# Altium PCB Box2.PcbDoc
Units mil, origin at the board's own origin, x right, y up, seen from the top; angles counter-clockwise.
Board outline 17180 x 7600 mil, 2 copper layers (Top Layer, Bottom Layer), stack 65.3 mil thick; 245 components, 242 nets, 1171 pads, 0 vias.
Unrouted connection lines stored in the file: 711.
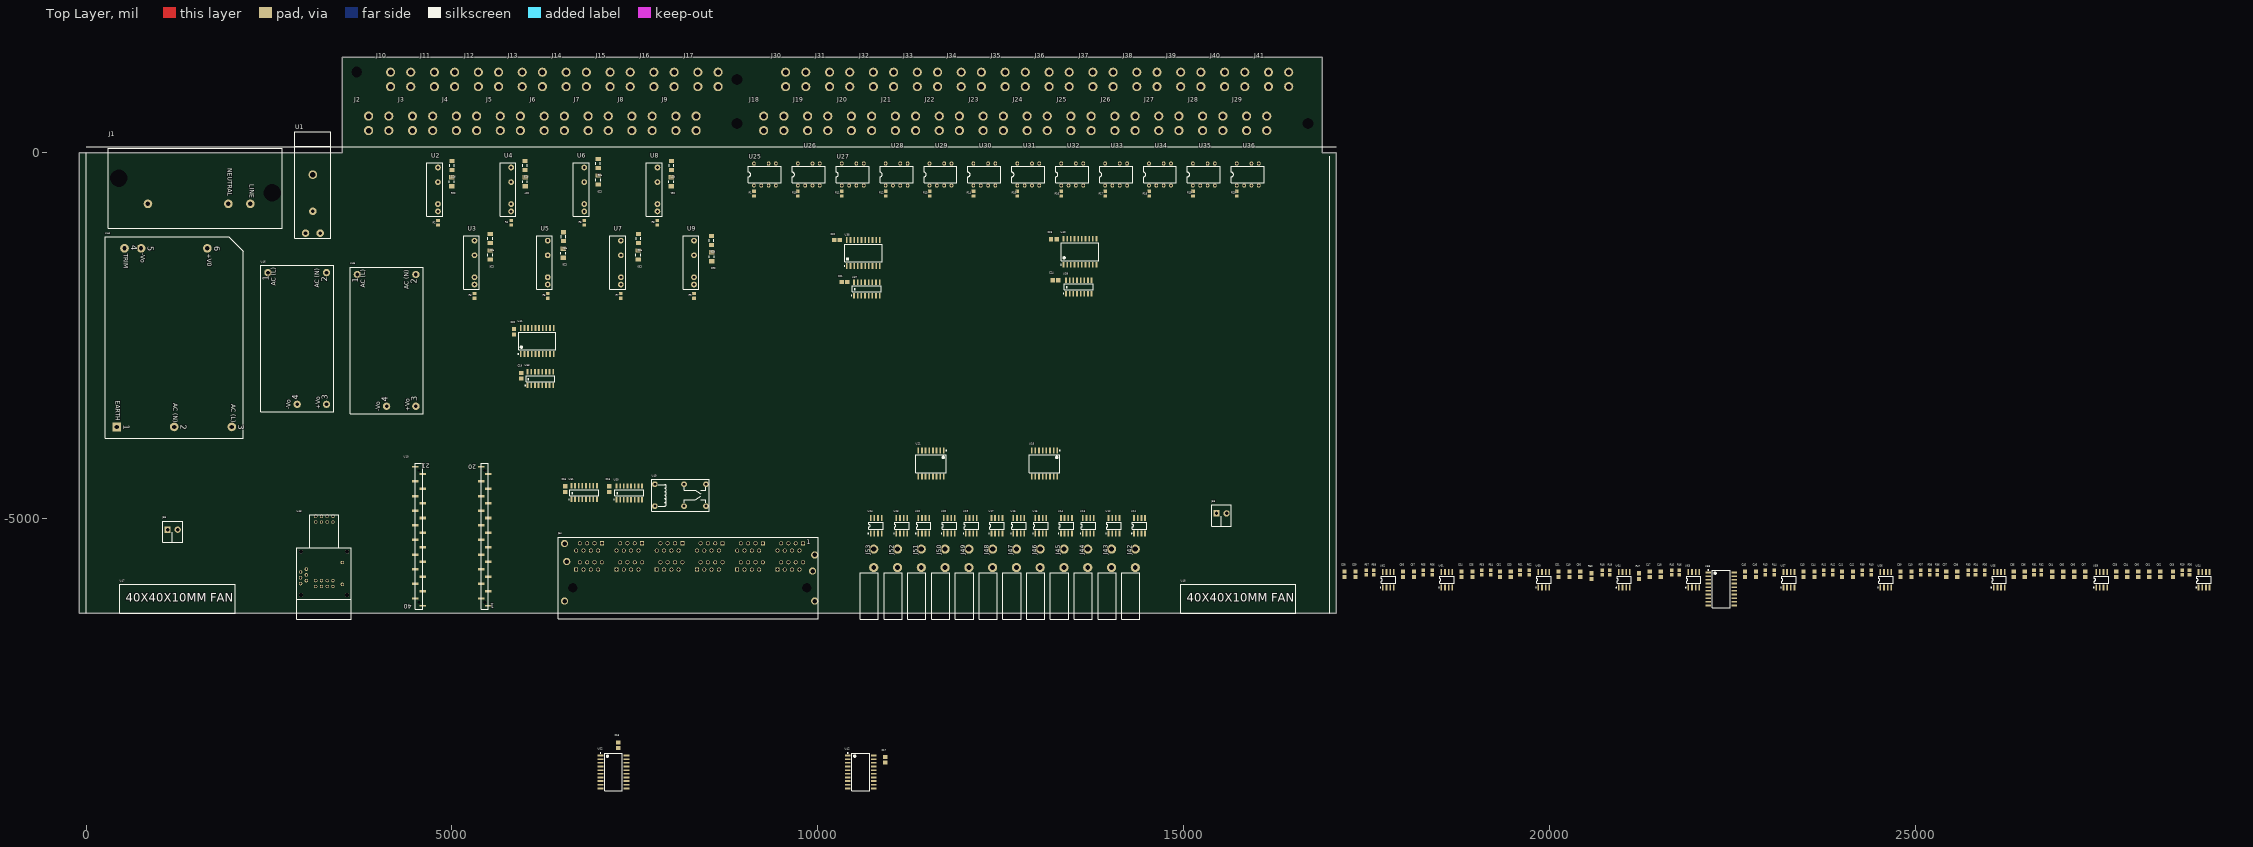
[diagram p0: Top Layer view]
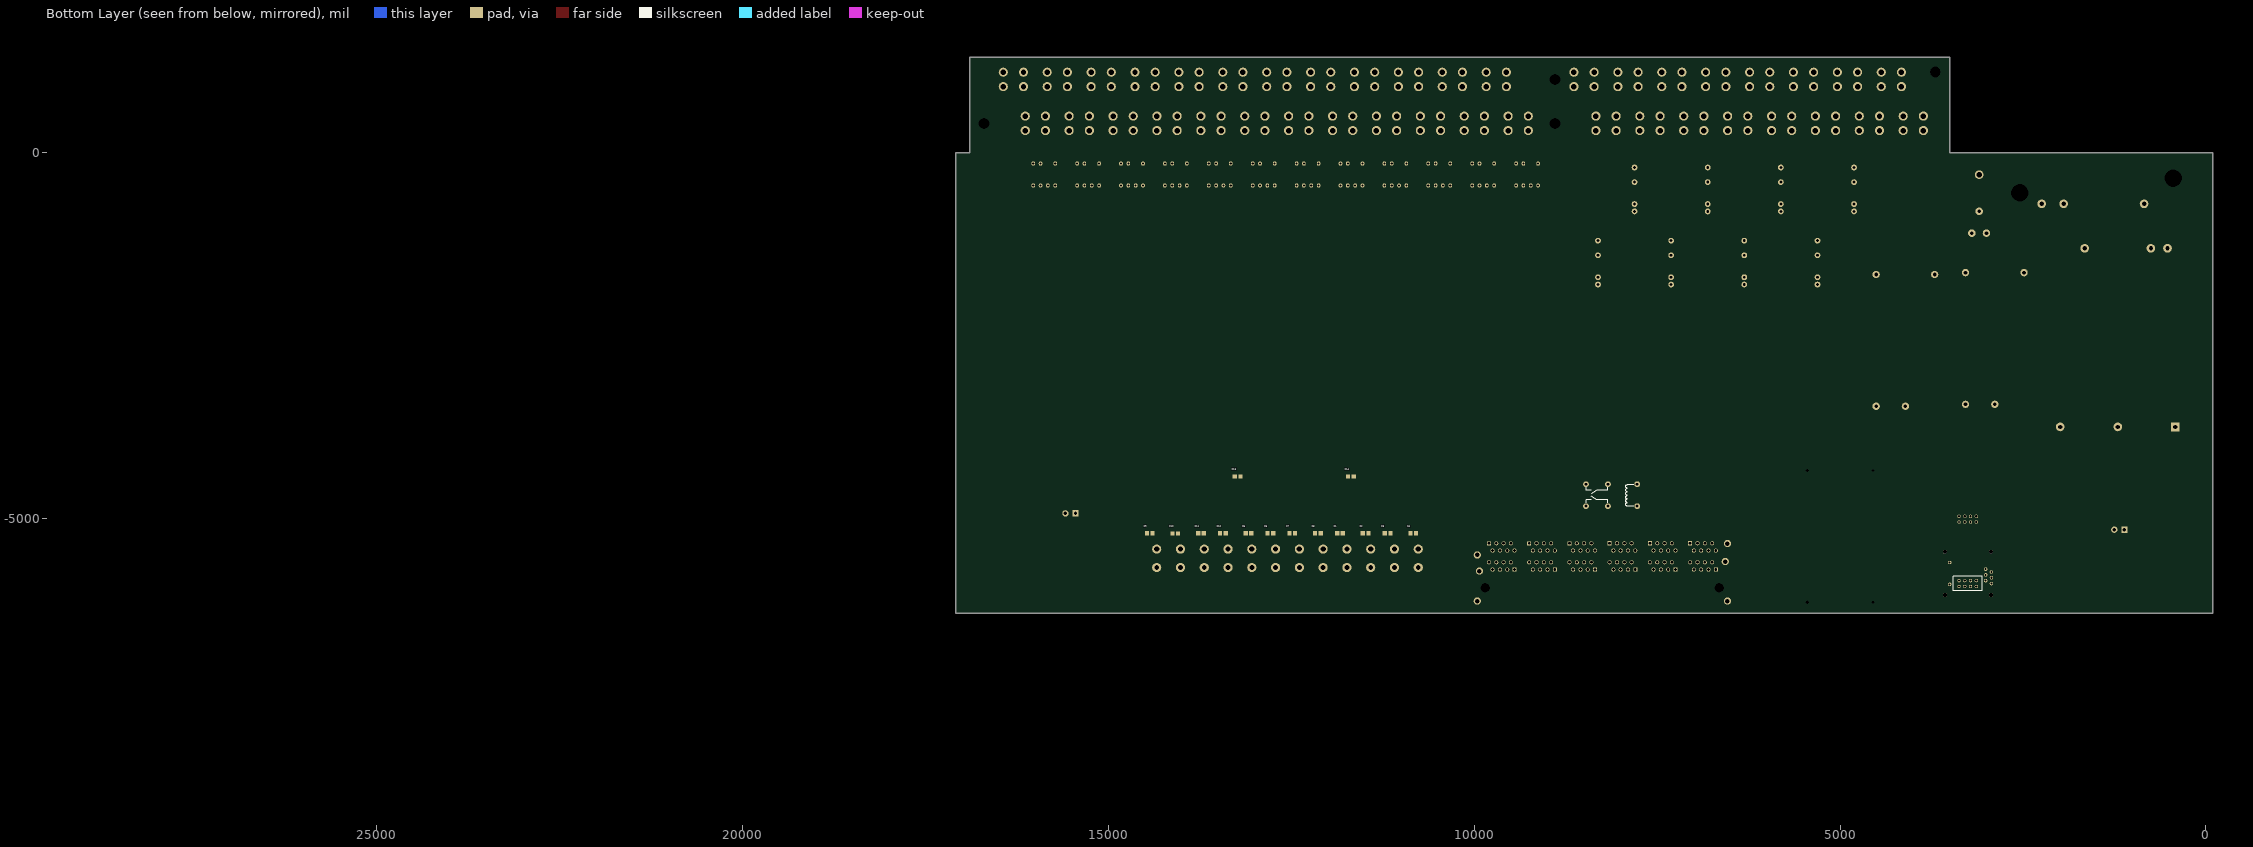
[diagram p1: Bottom Layer view, seen from below]

## Layer stack, top to bottom
Top Layer: signal copper 1.4
Dielectric: core 62.5, FR-4, Dk 4.8
Bottom Layer: signal copper 1.4

## Board outline
-90,-6300 -90,0 3500,0 3500,1300 16900,1300 16900,0 17090,0 17090,-6300

## Design rules (kind name [scope] priority, off if disabled: settings)
Clearance [All] p1: gap=10
Height [All] p1: minheight=0 maxheight=3000 prefheight=500
PolygonConnect [All] p1: connectstyle=Relief reliefconductorwidth=10 reliefentries=4 polygonreliefangle="90 Angle" airgapwidth=10
RoomDefinition U_ANALOG_IO [InComponentClass('U_ANALOG_IO')] p1: confinementstyle=ConfineIn formatcopy=TRUE lockcomponents=FALSE outline 17125,-6240 29075,-6240 29075,-5615 17125,-5615
RoutingVias [All] p1: holewidth=28 width=50 viastyle="Through Hole" minholewidth=28 minwidth=50 maxholewidth=28 maxwidth=50
SolderMaskExpansion [All] p1: expansion=4
Width [All] p1: maxlimit=10 minlimit=10 preferedwidth=10
27 further rules are at their usual default settings.

## Classes and differential pairs
component class U_ANALOG_IO: C15 C16 C17 C18 C33 C34 C35 C36 C37 C38 C39 C40 C41 C42 C43 C44 C45 C46 C47 C48 C49 C50 C51 C52 C53 C54 C55 C56 C57 C58 C59 C60 C61 C62 C63 C64 C65 C66 C67 R29 R30 R31 R32 R33 R34 R35 R36 R37 R38 R39 R40 R41 R42 R43 R44 R45 R46 R47 R48 R49 R50 R51 R52 R53 R54 R55 R56 R57 R58 U42 U50 U51 U52 U54 U55 U56 U57 U58 U59 U60 U61 U62 U63 U64

## Components (designator, comment, footprint, x,y, rotation, side; value= is the part's Value field where it differs from the comment)
C1 "0.1µF  50V" C0805_LD 11836,-5204 r0 bottom
C2 "0.1µF  50V" C0805_LD 11486,-5205 r0 bottom
C3 "0.1µF  50V" C0805_LD 11186,-5204 r0 bottom
C4 "0.1µF  50V" C0805_LD 10835,-5205 r0 bottom
C5 "0.1µF  50V" C0805_LD 13087,-5205 r0 bottom
C6 "0.1µF  50V" C0805_LD 12787,-5204 r0 bottom
C7 "0.1µF  50V" C0805_LD 12488,-5205 r0 bottom
C8 "0.1µF  50V" C0805_LD 12138,-5204 r0 bottom
C9 "0.1µF  50V" C0805_LD 14437,-5205 r0 bottom
C10 "0.1µF  50V" C0805_LD 14087,-5206 r0 bottom
C11 "0.1µF  50V" C0805_LD 13736,-5205 r0 bottom
C12 "0.1µF  50V" C0805_LD 13437,-5205 r0 bottom
C13 "0.1µF  50V" C0805_LD 13236,-4427 r0 bottom
C14 "0.1µF  50V" C0805_LD 11687,-4427 r0 bottom
C15 "0.1µF  50V" C0805_LD 6550,-4600 r90 top
C16 "0.1µF  50V" C0805_LD 7150,-4600 r90 top
C17 "0.1µF  50V" C0805_LD 10925,-8300 r90 top
C18 "0.1µF  50V" C0805_LD 7275,-8100 r90 top
C19 "0.1µF  50V" C0805_LD 5950,-3050 r90 top
C20 "0.1µF  50V" C0805_LD 5850,-2450 r270 top
C21 "0.1µF  50V" C0805_LD 10367,-1770 r0 top
C22 "0.1µF  50V" C0805_LD 10264,-1195 r0 top
C23 "0.1µF  50V" C0805_LD 13229,-1185 r0 top
C24 "0.1µF  50V" C0805_LD 13251,-1743 r0 top
C25 "0.1µF" C1206_LD 5000,-400 r270 top
C26 "0.1µF" C1206_LD 5525,-1400 r270 top
C27 "0.1µF" C1206_LD 6000,-400 r270 top
C28 "0.1µF" C1206_LD 6525,-1375 r270 top
C29 "0.1µF" C1206_LD 7000,-375 r270 top
C30 "0.1µF" C1206_LD 7550,-1400 r270 top
C31 "0.1µF" C1206_LD 8000,-400 r270 top
C32 "0.1µF" C1206_LD 8550,-1425 r270 top
C33 "0.1µF" C0805_LD 27750,-5765 r90 top
C34 "0.1µF" C0805_LD 27900,-5765 r90 top
C35 "0.1µF" C0805_LD 26350,-5765 r90 top
C36 "0.1µF" C0805_LD 26500,-5765 r90 top
C37 "0.1µF" C0805_LD 25425,-5765 r90 top
C38 "0.1µF" C0805_LD 25575,-5765 r90 top
C39 "0.1µF" C0805_LD 24800,-5765 r90 top
C40 "0.1µF" C0805_LD 24950,-5765 r90 top
C41 "0.1µF" C0805_LD 24000,-5765 r90 top
C42 "0.1µF" C0805_LD 24150,-5765 r90 top
C43 "0.1µF" C0805_LD 23475,-5765 r90 top
C44 "0.1µF" C0805_LD 23625,-5765 r90 top
C45 "0.1µF" C0805_LD 22675,-5765 r90 top
C46 "0.1µF" C0805_LD 22825,-5765 r90 top
C47 "0.1µF" C0805_LD 21375,-5765 r90 top
C48 "0.1µF" C0805_LD 21525,-5765 r90 top
C49 "0.1µF" C0805_LD 20275,-5765 r90 top
C50 "0.1µF" C0805_LD 20425,-5765 r90 top
C51 "0.1µF  50V" C0805_LD 20125,-5765 r90 top
C52 "0.1µF" C0805_LD 19325,-5765 r90 top
C53 "0.1µF" C0805_LD 19475,-5765 r90 top
C54 "0.1µF" C0805_LD 18800,-5765 r90 top
C55 "0.1µF" C0805_LD 18950,-5765 r90 top
C56 "0.1µF" C0805_LD 18000,-5765 r90 top
C57 "0.1µF" C0805_LD 18150,-5765 r90 top
C58 "0.1µF" C0805_LD 17200,-5765 r90 top
C59 "0.1µF" C0805_LD 17350,-5765 r90 top
C60 "0.1µF" C0805_LD 28050,-5765 r90 top
C61 "0.1µF" C0805_LD 28200,-5765 r90 top
C62 "0.1µF" C0805_LD 28350,-5765 r90 top
C63 "0.1µF" C0805_LD 28525,-5765 r90 top
C64 "0.1µF" C0805_LD 26875,-5765 r90 top
C65 "0.1µF" C0805_LD 27025,-5765 r90 top
C66 "0.1µF" C0805_LD 27175,-5765 r90 top
C67 "0.1µF" C0805_LD 27325,-5765 r90 top
J1 "KP01.1112.11" KP01.1112.11 1496.06,-525 r180 top locked
J2 "7701" 7701 4000,400 r90 top
J3 "7701" 7701 4600,400 r90 top
J4 "7701" 7701 5200,400 r90 top
J5 "7701" 7701 5800,400 r90 top
J6 "7701" 7701 6400,400 r90 top
J7 "7701" 7701 7000,400 r90 top
J8 "7701" 7701 7600,400 r90 top
J9 "7701" 7701 8200,400 r90 top
J10 "7701" 7701 4300,1000 r90 top
J11 "7701" 7701 4900,1000 r90 top
J12 "7701" 7701 5500,1000 r90 top
J13 "7701" 7701 6100,1000 r90 top
J14 "7701" 7701 6700,1000 r90 top
J15 "7701" 7701 7300,1000 r90 top
J16 "7701" 7701 7900,1000 r90 top
J17 "7701" 7701 8500,1000 r90 top
J18 "7701" 7701 9400,400 r90 top
J19 "7701" 7701 10000,400 r90 top
J20 "7701" 7701 10600,400 r90 top
J21 "7701" 7701 11200,400 r90 top
J22 "7701" 7701 11800,400 r90 top
J23 "7701" 7701 12400,400 r90 top
J24 "7701" 7701 13000,400 r90 top
J25 "7701" 7701 13600,400 r90 top
J26 "7701" 7701 14200,400 r90 top
J27 "7701" 7701 14800,400 r90 top
J28 "7701" 7701 15400,400 r90 top
J29 "7701" 7701 16000,400 r90 top
J30 "7701" 7701 9700,1000 r90 top
J31 "7701" 7701 10300,1000 r90 top
J32 "7701" 7701 10900,1000 r90 top
J33 "7701" 7701 11500,1000 r90 top
J34 "7701" 7701 12100,1000 r90 top
J35 "7701" 7701 12700,1000 r90 top
J36 "7701" 7701 13300,1000 r90 top
J37 "7701" 7701 13900,1000 r90 top
J38 "7701" 7701 14500,1000 r90 top
J39 "7701" 7701 15100,1000 r90 top
J40 "7701" 7701 15700,1000 r90 top
J41 "7701" 7701 16300,1000 r90 top
J42 "PCC-SMP-K" PCC-SMP-V 14341.38,-5545.47 r90 top
J43 "PCC-SMP-K" PCC-SMP-V 14016.38,-5545.47 r90 top
J44 "PCC-SMP-K" PCC-SMP-V 13691.38,-5545.47 r90 top
J45 "PCC-SMP-K" PCC-SMP-V 13366.38,-5545.47 r90 top
J46 "PCC-SMP-K" PCC-SMP-V 13041.38,-5545.47 r90 top
J47 "PCC-SMP-K" PCC-SMP-V 12716.38,-5545.47 r90 top
J48 "PCC-SMP-K" PCC-SMP-V 12391.38,-5545.47 r90 top
J49 "PCC-SMP-K" PCC-SMP-V 12066.38,-5545.47 r90 top
J50 "PCC-SMP-K" PCC-SMP-V 11741.38,-5545.47 r90 top locked
J51 "PCC-SMP-K" PCC-SMP-V 11416.38,-5545.47 r90 top
J52 "PCC-SMP-K" PCC-SMP-V 11091.38,-5545.47 r90 top
J53 "PCC-SMP-K" PCC-SMP-V 10766.38,-5545.47 r90 top
J54 "5569263-1" 5569263-1 8250,-5735 r0 top locked
J55 "1984617" 1984617 1183,-5154 r0 top
J56 "1984617" 1984617 15520,-4932 r0 top
R1 "91" R0805_HD 9130,-560 r90 top
R2 "91" R0805_HD 4810,-960 r90 top
R3 "91" R0805_HD 5310,-1960 r90 top
R4 "91" R0805_HD 5810,-960 r90 top
R5 "91" R0805_HD 6310,-1960 r90 top
R6 "91" R0805_HD 6810,-960 r90 top
R7 "91" R0805_HD 7310,-1960 r90 top
R8 "91" R0805_HD 7810,-960 r90 top
R9 "91" R0805_HD 8310,-1960 r90 top
R10 "91" R0805_HD 9730,-560 r90 top
R11 "91" R0805_HD 10330,-560 r90 top
R12 "91" R0805_HD 10930,-560 r90 top
R13 "91" R0805_HD 11530,-560 r90 top
R14 "91" R0805_HD 12130,-560 r90 top
R15 "91" R0805_HD 12730,-560 r90 top
R16 "91" R0805_HD 13330,-560 r90 top
R17 "91" R0805_HD 13930,-560 r90 top
R18 "91" R0805_HD 14530,-560 r90 top
R19 "91" R0805_HD 15130,-560 r90 top
R20 "91" R0805_HD 15730,-560 r90 top
R21 "47" R1206_LD 5000,-175 r270 top
R22 "47" R1206_LD 5525,-1175 r270 top
R23 "47" R1206_LD 6000,-175 r270 top
R24 "47" R1206_LD 6525,-1150 r270 top
R25 "47" R1206_LD 7000,-150 r270 top
R26 "47" R1206_LD 7550,-1175 r270 top
R27 "47" R1206_LD 8000,-175 r270 top
R28 "47" R1206_LD 8550,-1200 r270 top
R29 "100k" R0805_HD 28650,-5740 r90 top
R30 "100k" R0805_HD 28750,-5740 r90 top
R31 "100k" R0805_HD 26625,-5740 r90 top
R32 "100k" R0805_HD 26725,-5740 r90 top
R33 "100k" R0805_HD 25725,-5740 r90 top
R34 "100k" R0805_HD 25825,-5740 r90 top
R35 "1k ±1%" R0805_HD 25950,-5740 r90 top
R36 "2k ±1%" R0805_HD 25300,-5740 r90 top
R37 "100k" R0805_HD 25075,-5740 r90 top
R38 "100k" R0805_HD 25200,-5740 r90 top
R39 "100k" R0805_HD 24275,-5740 r90 top
R40 "100k" R0805_HD 24400,-5740 r90 top
R41 "100k" R0805_HD 23750,-5740 r90 top
R42 "100k" R0805_HD 23875,-5740 r90 top
R43 "100k" R0805_HD 22950,-5740 r90 top
R44 "100k" R0805_HD 23075,-5740 r90 top
R45 "100k" R0805_HD 21675,-5740 r90 top
R46 "100k" R0805_HD 21775,-5740 r90 top
R47 "240 ±1%" R0805_LD 21225,-5790 r90 top
R48 "100k" R0805_HD 20725,-5740 r90 top
R49 "100k" R0805_HD 20825,-5740 r90 top
R50 "240 ±1%" R0805_LD 20575,-5790 r90 top
R51 "100k" R0805_HD 19600,-5740 r90 top
R52 "100k" R0805_HD 19725,-5740 r90 top
R53 "100k" R0805_HD 19075,-5740 r90 top
R54 "100k" R0805_HD 19200,-5740 r90 top
R55 "100k" R0805_HD 18275,-5740 r90 top
R56 "100k" R0805_HD 18400,-5740 r90 top
R57 "100k" R0805_HD 17500,-5740 r90 top
R58 "100k" R0805_HD 17600,-5740 r90 top
U1 "FUSEHOLDER FPG5 5X20 IP 40" 3101.0055 3100,-1102.36 r270 top locked
U2 "S116S02F" "SHARP SIP-4 SSR" 4810,-504 r270 top
U3 "S116S02F" "SHARP SIP-4 SSR" 5310,-1504 r270 top
U4 "S116S02F" "SHARP SIP-4 SSR" 5810,-504 r270 top
U5 "S116S02F" "SHARP SIP-4 SSR" 6310,-1504 r270 top
U6 "S116S02F" "SHARP SIP-4 SSR" 6810,-504 r270 top
U7 "S116S02F" "SHARP SIP-4 SSR" 7310,-1504 r270 top
U8 "S116S02F" "SHARP SIP-4 SSR" 7810,-504 r270 top
U9 "S116S02F" "SHARP SIP-4 SSR" 8310,-1504 r270 top
U10 "MBED" MBED_SURFACEMOUNT_SOCKET 5000,-5245 r180 top locked
U11 "MAX31855KASA+T" "SOIC 8" 14400,-5100 r0 top
U12 "MAX31855KASA+T" "SOIC 8" 14050,-5100 r0 top
U13 "MAX31855KASA+T" "SOIC 8" 13700,-5100 r0 top
U14 "MAX31855KASA+T" "SOIC 8" 13400,-5100 r0 top
U15 "MAX31855KASA+T" "SOIC 8" 13050,-5100 r0 top
U16 "MAX31855KASA+T" "SOIC 8" 12750,-5100 r0 top
U17 "MAX31855KASA+T" "SOIC 8" 12450,-5100 r0 top
U18 "74HC138D,652" "SOIC 16 Wide" 13100,-4250 r270 top
U19 "MAX31855KASA+T" "SOIC 8" 12100,-5100 r0 top
U20 "MAX31855KASA+T" "SOIC 8" 11800,-5100 r0 top
U21 "74HC138D,652" "SOIC 16 Wide" 11550,-4250 r270 top
U22 "MAX31855KASA+T" "SOIC 8" 11450,-5100 r0 top
U23 "MAX31855KASA+T" "SOIC 8" 11150,-5100 r0 top
U24 "MAX31855KASA+T" "SOIC 8" 10800,-5100 r0 top
U25 "PR3BMF51NSKF" DIP8_NO_PIN7 9279,-300 r0 top
U26 "PR3BMF51NSKF" DIP8_NO_PIN7 9879,-300 r0 top
U27 "PR3BMF51NSKF" DIP8_NO_PIN7 10479,-300 r0 top
U28 "PR3BMF51NSKF" DIP8_NO_PIN7 11079,-300 r0 top
U29 "PR3BMF51NSKF" DIP8_NO_PIN7 11679,-300 r0 top
U30 "PR3BMF51NSKF" DIP8_NO_PIN7 12279,-300 r0 top
U31 "PR3BMF51NSKF" DIP8_NO_PIN7 12879,-300 r0 top
U32 "PR3BMF51NSKF" DIP8_NO_PIN7 13479,-300 r0 top
U33 "PR3BMF51NSKF" DIP8_NO_PIN7 14079,-300 r0 top
U34 "PR3BMF51NSKF" DIP8_NO_PIN7 14679,-300 r0 top
U35 "PR3BMF51NSKF" DIP8_NO_PIN7 15279,-300 r0 top
U36 "PR3BMF51NSKF" DIP8_NO_PIN7 15879,-300 r0 top
U37 "SN74AHC594DR" SOIC127P600X145-16L 10672.5,-1862.01 r90 top
U38 "SN74LVTH541DW" SOIC127P1030X265-20L 10624.28,-1371.85 r90 top
U39 "SN74AHC594DR" SOIC127P600X145-16L 13569.16,-1835.43 r90 top
U40 "SN74LVTH541DW" SOIC127P1030X265-20L 13585.89,-1356.1 r90 top
U41 "SN74LVTH541DW" SOIC127P1030X265-20L 6167.02,-2575.85 r90 top
U42 "SN74LVTH541DW" SOIC127P1030X265-20L 10588,-8466 r0 top
U43 "#NAME?" "R/A IS15DSBFP4RGB" 3250,-5510 r0 top locked
U44 "VSK-S25-15U" VSK-S25 1205,-3750 r270 top
U45 "VSK-S5-15UA" VSK-S5 3708,-1667 r90 top
U46 "VSK-S5-5UA" VSK-S5 2486,-1641 r90 top
U47 "ME40100V1-000U-A99" ME40100V1-000U-A99 1250,-6100 r0 top locked
U48 "ME40100V1-000U-A99" ME40100V1-000U-A99 15750,-6100 r0 top locked
U49 "G6B-2114P-US-DC5" G6B-2114P-US 7774,-4833 r180 top
U50 "MCP3208-BI/SL" SOIC127P600X145-16L 7425,-4650 r90 top
U51 "MCP3208-BI/SL" SOIC127P600X145-16L 6809,-4649 r90 top
U52 "TLV5608IDW" SOIC127P1030X265-20L 7210,-8466 r0 top
U53 "SN74AHC594DR" SOIC127P600X145-16L 6210.33,-3090.61 r90 top
U54 "MCP6002-I/SN" "SOIC 8" 28950,-5840 r0 top
U55 "MCP6002-I/SN" "SOIC 8" 26150,-5840 r0 top
U56 "MCP6002-I/SN" "SOIC 8" 24600,-5840 r0 top
U57 "MCP6002-I/SN" "SOIC 8" 23275,-5840 r0 top
U58 "TLV5608IDW" SOIC127P1030X265-20L 22350,-5965 r0 top
U59 "MCP6002-I/SN" "SOIC 8" 27550,-5840 r0 top
U60 "MCP6002-I/SN" "SOIC 8" 19925,-5840 r0 top
U61 "MCP6002-I/SN" "SOIC 8" 18600,-5840 r0 top
U62 "MCP6002-I/SN" "SOIC 8" 17800,-5840 r0 top
U63 "MCP6002-I/SN" "SOIC 8" 21975,-5840 r0 top
U64 "MCP6002-I/SN" "SOIC 8" 21025,-5840 r0 top

## Footprints (in the part's own frame and the unit in brackets; to place one, negate y for a bottom-side part, rotate by r counter-clockwise, add the part's x,y. Pads: shape width x height; smd on the part's side, far side on the other; paste and mask are expansions set on the pad)
3101.0055 [mm] "FUSEHOLDER FPG5 5X20 IP 40"
  round 2.6 hole 1.3: 1(0,2.54) 1(0,-2.54) 2(-7.62,0)
  round 3 hole 2: MOUNT(-20.32,0)
  silkscreen extent -35.27,-6.25 1.73,6.25, body extent -35.27,-6.25 1.73,6.25, height 12.7
7701 [mil] "Keytone 6-32 Screw terminal"
  round 125 hole 75: 1(-98.5,138) 1(-98.5,-138) 1(98.5,138) 1(98.5,-138)
  body extent -157,-154 153,156, height 318
1984617 [mm] "Phoenix 2-pin 3.5mm screw terminal"
  rect 2.2x2.2 hole 1.2: 1(-1.75,0)
  round 2.2 hole 1.2: 2(1.75,0)
  silkscreen extent -3.45,-4.4 3.45,3, body extent -3.51,-4.5 4.06,3.1, height 9.05
5569263-1 [mm] "12 - Channel Ethernet"
  rect 1.4x1.4 hole 1 unplated: 1-1(-30.49,10.035) 2-1(-16.515,10.035) 3-1(-2.54,10.035) 4-1(11.43,10.025) 5-1(25.4,10.025) 6-1(39.37,10.025) 7-1(-39.37,0.885) 8-1(-25.4,0.885) 9-1(-11.43,0.885) 10-1(2.535,0.885) 11-1(16.51,0.885) 12-1(30.48,0.885)
  round 1.4 hole 1 unplated: 1-2(-31.76,7.495) 1-3(-33.03,10.035) 1-4(-34.3,7.495) 1-5(-35.57,10.035) 1-6(-36.84,7.495) 1-7(-38.11,10.035) 1-8(-39.38,7.495) 2-2(-17.785,7.495) 2-3(-19.055,10.035) 2-4(-20.325,7.495) 2-5(-21.595,10.035) 2-6(-22.865,7.495) 2-7(-24.135,10.035) 2-8(-25.405,7.495) 3-2(-3.81,7.495) 3-3(-5.08,10.035) 3-4(-6.35,7.495) 3-5(-7.62,10.035) 3-6(-8.89,7.495) 3-7(-10.16,10.035) 3-8(-11.43,7.495) 4-2(10.16,7.485) 4-3(8.89,10.025) 4-4(7.62,7.485) 4-5(6.35,10.025) 4-6(5.08,7.485) 4-7(3.81,10.025) 4-8(2.54,7.485) 5-2(24.13,7.485) 5-3(22.86,10.025) 5-4(21.59,7.485) 5-5(20.32,10.025) 5-6(19.05,7.485) 5-7(17.78,10.025) 5-8(16.51,7.485) 6-2(38.1,7.485) 6-3(36.83,10.025) 6-4(35.56,7.485) 6-5(34.29,10.025) 6-6(33.02,7.485) 6-7(31.75,10.025) 6-8(30.48,7.485) 7-2(-38.1,3.425) 7-3(-36.83,0.885) 7-4(-35.56,3.425) 7-5(-34.29,0.885) 7-6(-33.02,3.425) 7-7(-31.75,0.885) 7-8(-30.48,3.425) 8-2(-24.13,3.425) 8-3(-22.86,0.885) 8-4(-21.59,3.425) 8-5(-20.32,0.885) 8-6(-19.05,3.425) 8-7(-17.78,0.885) 8-8(-16.51,3.425) 9-2(-10.16,3.425) 9-3(-8.89,0.885) 9-4(-7.62,3.425) 9-5(-6.35,0.885) 9-6(-5.08,3.425) 9-7(-3.81,0.885) 9-8(-2.54,3.425) 10-2(3.805,3.425) 10-3(5.075,0.885) 10-4(6.345,3.425) 10-5(7.615,0.885) 10-6(8.885,3.425) 10-7(10.155,0.885) 10-8(11.425,3.425) 11-2(17.78,3.425) 11-3(19.05,0.885) 11-4(20.32,3.425) 11-5(21.59,0.885) 11-6(22.86,3.425) 11-7(24.13,0.885) 11-8(25.4,3.425) 12-2(31.75,3.425) 12-3(33.02,0.885) 12-4(34.29,3.425) 12-5(35.56,0.885) 12-6(36.83,3.425) 12-7(38.1,0.885) 12-8(39.37,3.425)
  round 0 hole 3.25 unplated mask+1.85: ALIGN(-40.64,-5.465) ALIGN(40.64,-5.465)
  round 2.5 hole 1.57 unplated: SHEILD(-43.43,-10.035) SHEILD(-43.43,9.935) SHEILD(-42.67,3.675) SHEILD(42.67,0.375) SHEILD(43.43,-10.035) SHEILD(43.43,5.965)
  silkscreen extent -45.56,-16.26 44.58,12.19, body extent -44.59,-16.29 44.56,12.16, height 26.3
C0805_LD [mm] "Capacitor - 0805 - Low Density"
  rect 1.45x1.5 smd: 1(-0.975,0) 2(0.975,0)
  body extent -1,-0.6 1,0.6, height 0.9
C1206_LD [mm] "Capacitor - 1206 - Low Density"
  rect 1.5x1.9 smd: 1(-1.55,0) 2(1.55,0)
  silkscreen extent -0.4,-0.85 0.4,0.85, body extent -1.6,-0.8 1.6,0.8, height 0.96
DIP8_NO_PIN7 [mm]
  oval 1.25x1.5 hole 0.75: 1(-3.81,-3.81) 2(-1.27,-3.81) 3(1.27,-3.81) 4(3.81,-3.81) 5(3.81,3.81) 6(1.27,3.81) 8(-3.81,3.81)
  silkscreen extent -5.71,-2.92 5.71,2.92, body extent -5.74,-3.94 5.69,3.94, height 4.19
G6B-2114P-US [mm] "RELAY GENERAL PURPOSE DPST 5A"
  round 2 hole 1: 1(0,0) 3(-10.16,0) 4(-17.78,0) 5(-17.78,-7.62) 6(-10.16,-7.62) 8(0,-7.62)
  silkscreen extent -18.9,-9.3 1.1,1.7, body extent -19.03,-9.43 1.23,1.83, height 11
KP01.1112.11 [mm] "AC Power Entry Modules SNAP-N PCB 2-POLE"
  round 3 hole 1.6: E(16.51,4.45) L(-19.05,4.45) N(-11.43,4.45)
  round 0 hole 6: M1(-26.67,0.63) M1(26.67,-4.45)
  silkscreen extent -30.16,-14.87 30.21,13.01, body extent -30.16,-18.19 30.21,13.01, height 36.52
MBED_SURFACEMOUNT_SOCKET [mil]
  rect 90x25 smd: 1(-500,950) 2(-400,850) 19(-500,-850) 20(-400,-950) 21(500,-950) 22(400,-850) 39(500,850) 40(400,950)
  rect 90x35 smd: 3(-500,750) 4(-400,650) 5(-500,550) 6(-400,450) 7(-500,350) 8(-400,250) 9(-500,150) 10(-400,50) 11(-500,-50) 12(-400,-150) 13(-500,-250) 14(-400,-350) 15(-500,-450) 16(-400,-550) 17(-500,-650) 18(-400,-750) 23(500,-750) 24(400,-650) 25(500,-550) 26(400,-450) 27(500,-350) 28(400,-250) 29(500,-150) 30(400,-50) 31(500,50) 32(400,150) 33(500,250) 34(400,350) 35(500,450) 36(400,550) 37(500,650) 38(400,750)
  rect 0x0 hole 46 unplated: M1(-450,900) M2(-450,-900) M3(450,-900) M4(450,900)
  silkscreen extent -500,-1000 500,1000, body extent -525,-1045 525,1110, height 614
ME40100V1-000U-A99 [mil] "FAN 40X10MM 5VDC 1.08W 8CFM"
  silkscreen extent -787,-197 787,197, body extent -787,-197 787,197, height 1575
PCC-SMP-V [mil]
  round 125 hole 67 unplated: +(-125.98,0)
  round 125 hole 72 unplated: K(125.98,0)
  silkscreen extent -831,-64 -201,184, body extent -831,-64 189,184, height 610
R0805_HD [mm] "0805 Resistor - High Density"
  rect 1.1x1.25 smd: 1(-0.8,0) 2(0.8,0)
  body extent -1,-0.62 1,0.63, height 0.6
R0805_LD [mm] "0805 Resistor - Low Density"
  rect 1.5x1.45 smd: 1(-1,0) 2(1,0)
  body extent -1,-0.62 1,0.63, height 0.6
R1206_LD [mm] "1206 Resistor - Low Density"
  rect 1.4x1.8 smd: 1(-1.55,0) 2(1.55,0)
  silkscreen extent -0.45,-0.8 0.45,0.8, body extent -1.6,-0.8 1.6,0.8, height 0.6
"R/A IS15DSBFP4RGB" [mil] "RGB compact Smart switch"
  round 47.24 hole 29.53: 1(253.02,-392.69) 2(253.02,-92.69) 3(-317.98,-380.69) 4(-238.98,-341.29) 5(-317.98,-301.89) 6(-238.98,-262.49) 7(-317.98,-223.09) 8(-238.98,-183.69)
  round 45 hole 30: 9(-111.15,-341.04) 10(-111.15,-419.78) 11(-32.41,-341.04) 12(-32.41,-419.78) 13(46.33,-341.04) 14(46.33,-419.78) 15(125.07,-341.04) 16(125.07,-419.78) 17(-111.29,537.97) 18(-111.29,459.23) 19(-32.55,537.97) 20(-32.55,459.23) 21(46.19,537.97) 22(46.19,459.23) 23(124.93,537.97) 24(124.93,459.23)
  round 51.18 hole 51.18 unplated: M1(-311.94,-537.97) M1(-311.94,52.58) M1(317.98,-537.97) M1(317.98,52.58)
  silkscreen extent -371,-871 377,556, body extent -369,-872 379,551, height 594
"SHARP SIP-4 SSR" [mm] "S116S02 / S216S02 SSR"
  round 2 hole 1: 1(-7.62,0) 2(-2.54,0) 3(5.08,0) 4(7.62,0)
  silkscreen extent -9.27,-3.81 9.27,1.65, body extent -9.25,-3.86 9.25,1.65, height 27.62
SOIC127P600X145-16L [mm] "SOIC, 16-Leads, Body 9.90x3.90mm, Pitch 1.27mm, IPC High Density"
  rect 1.9x0.6 smd: 1(-2.35,4.445) 2(-2.35,3.175) 3(-2.35,1.905) 4(-2.35,0.635) 5(-2.35,-0.635) 6(-2.35,-1.905) 7(-2.35,-3.175) 8(-2.35,-4.445) 9(2.35,-4.445) 10(2.35,-3.175) 11(2.35,-1.905) 12(2.35,-0.635) 13(2.35,0.635) 14(2.35,1.905) 15(2.35,3.175) 16(2.35,4.445)
  silkscreen extent -2.47,-5 1,5.42, body extent -3.02,-4.95 2.97,4.95, height 1.4
SOIC127P1030X265-20L [mm] "SOIC, 20-Leads, Body 12.80x7.50mm, Pitch 1.27mm, IPC High Density"
  rect 2x0.6 smd: 1(-4.5,5.715) 2(-4.5,4.445) 3(-4.5,3.175) 4(-4.5,1.905) 5(-4.5,0.635) 6(-4.5,-0.635) 7(-4.5,-1.905) 8(-4.5,-3.175) 9(-4.5,-4.445) 10(-4.5,-5.715) 11(4.5,-5.715) 12(4.5,-4.445) 13(4.5,-3.175) 14(4.5,-1.905) 15(4.5,-0.635) 16(4.5,0.635) 17(4.5,1.905) 18(4.5,3.175) 19(4.5,4.445) 20(4.5,5.715)
  silkscreen extent -4.62,-6.5 3.1,6.69, body extent -5.15,-6.4 5.15,6.4, height 2.65
"SOIC 8" [mm]
  rect 0.6x2.05 smd: 1(-1.905,-2.675) 2(-0.635,-2.675) 3(0.635,-2.675) 4(1.905,-2.675) 5(1.905,2.675) 6(0.635,2.675) 7(-0.635,2.675) 8(-1.905,2.675)
  silkscreen extent -2.88,-2.8 2.5,1.25, body extent -2.49,-3.19 2.51,3.14, height 1.88
"SOIC 16 Wide" [mm] "SOIC, 16-Leads, Body 10.5x7.6mm (max), Pitch 1.27mm, IPC High Density"
  rect 2x0.6 smd: 1(-4.525,4.445) 2(-4.525,3.175) 3(-4.525,1.905) 4(-4.525,0.635) 5(-4.525,-0.635) 6(-4.525,-1.905) 7(-4.525,-3.175) 8(-4.525,-4.445) 9(4.525,-4.445) 10(4.525,-3.175) 11(4.525,-1.905) 12(4.525,-0.635) 13(4.525,0.635) 14(4.525,1.905) 15(4.525,3.175) 16(4.525,4.445)
  silkscreen extent -4.65,-5.25 3.13,5.42, body extent -5.18,-5.17 5.15,5.13, height 2.53
VSK-S5 [mil]
  round 100 hole 50: 1(0,0) 2(0,-800) 3(-1800,-800) 4(-1800,-400)
  silkscreen extent -1900,-900 100,100, body extent -1900,-900 100,100, height 597
VSK-S25 [mm]
  rect 3x3 hole 1.5: 1(0,-20)
  round 3 hole 1.5: 2(0,0) 3(0,20) 4(-62,-17.25) 5(-62,-11.5) 6(-62,11.5)
  silkscreen extent -66,-24 4,24, body extent -66,-24 4,24, height 23.52

## Part data
C1 C2 C3 C4 C5 C6 C7 C8 C9 C10 C11 C12 C13 C14 C15 C16 C17 C18 C19 C20 C21 C22 C23 C24 C33 C34 C35 C36 C37 C38 C39 C40 C41 C42 C43 C44 C45 C46 C47 C48 C49 C50 C51 C52 C53 C54 C55 C56 C57 C58 C59 C60 C61 C62 C63 C64 C65 C66 C67: library part GRM21BR71H104KA01L, "CAP CER 0.1UF 50V 10% X7R 0805"
C25 C26 C27 C28 C29 C30 C31 C32: library part GRM31CR72E104KW03L, "CAP CER 0.1UF 250V 10% X7R 1206"
J1: "AC Power Entry Modules SNAP-N PCB 2-POLE"
J2 J3 J4 J5 J6 J7 J8 J9 J10 J11 J12 J13 J14 J15 J16 J17 J18 J19 J20 J21 J22 J23 J24 J25 J26 J27 J28 J29 J30 J31 J32 J33 J34 J35 J36 J37 J38 J39 J40 J41: "TERM W/ASSEMBLD SCREW VERT PCMNT"
J42 J43 J44 J45 J46 J47 J48 J49 J50 J51 J52 J53: library part PCC-SMP-K-100, "Vertical K type thermocouple connector - K"
J54: "CONN MOD JACK R/A 8P8C SHIELDED"
J55 J56: "CONN TERM BLOCK T/H 2POS 3.5MM"
R1 R2 R3 R4 R5 R6 R7 R8 R9 R10 R11 R12 R13 R14 R15 R16 R17 R18 R19 R20: library part ERJ-6ENF91R0V, "RES 91 OHM 1/8W 1% 0805 SMD"
R21 R22 R23 R24 R25 R26 R27 R28: library part ERJ-8ENF47R0V, "RES 47 OHM 1/4W 1% 1206 SMD"
R29 R30 R31 R32 R33 R34 R37 R38 R39 R40 R41 R42 R43 R44 R45 R46 R48 R49 R51 R52 R53 R54 R55 R56 R57 R58: library part ERJ-6ENF1003V, "RES 100K OHM 1/8W 1% 0805 SMD"
R35: library part ERJ-6ENF1001V, "RES 1K OHM 1/8W 1% 0805 SMD"
R36: library part ERJ-6ENF2001V, "RES 2K OHM 1/8W 1% 0805 SMD"
R47 R50: library part ERJ-6ENF2400V, "RES 240 OHM 1/8W 1% 0805 SMD"
U2 U3 U4 U5 U6 U7 U8 U9: "Solid State Relays - PCB Mount 16A Zero Cross Type Triac output SSR"
U10: library part OM11043, "DEVELOPMENT BOARD LPC1768 MBED"
U11 U12 U13 U14 U15 U16 U17 U19 U20 U22 U23 U24: "IC CONV THERMOCOUPLE-DGTL 8SOIC"
U18 U21: "IC DECODER/DEMUX 3-8 LINE 16SOIC"
U25 U26 U27 U28 U29 U30 U31 U32 U33 U34 U35 U36: "RELAY SSR 10MA 240V 1.2A 8-DIP"
U37 U39 U53: "IC SHIFT REGISTER 8BIT 16-SOIC"
U38 U40 U41 U42: "IC BUFF/DVR TRI-ST 8BIT 20SOIC"
U43: library part "R/A IS15DSBFP4RGB", "64x32 Compact Smart Switch"
U44: "CONV AC/DC 25W 15V 1.6A PCB"
U45: "CONV AC/DC 5W 15V 0.33A PCB"
U46: "CONV AC/DC 5W 5V 1A PCB"
U47 U48: "FAN 40X10MM 5VDC 1.08W 8CFM"
U49: "RELAY GENERAL PURPOSE DPST 5A 5V"
U50 U51: "IC ADC 12BIT 2.7V 8CH SPI 16SOIC"
U52 U58: "IC 8 CHANNEL DAC S/O 20-SOIC"
U54 U55 U56 U57 U59 U60 U61 U62 U63 U64: "IC OPAMP 1.8V 1MHZ DUAL 8-SOIC"

## Free pads (board coordinates)
  round 0 hole 150: 0(3700,1100) 0(8900,400) 0(8900,1000) 1(16700,400)

## Nets (pads, with @x,y where several pads share a name; then routed paths per layer and width w, separated by ;. In a path a pad name is that pad's centre, name@x,y a point inside that pad or via, vN(x,y) a via of type N, cw(c..) or ccw(c..) an arc to the next point about the centre after c; other vN are vias at no path point)
3.3V: C1.2 C2.2 C3.2 C4.2 C5.2 C6.2 C7.2 C8.2 C9.2 C10.2 C11.2 C12.2 C13.2 C14.2 U11.4 U12.4 U13.4 U14.4 U15.4 U16.4 U17.4 U18.6 U18.16 U19.4 U20.4 U21.16 U22.4 U23.4 U24.4
120VAC: R21.1 R22.1 R23.1 R24.1 R25.1 R26.1 R27.1 R28.1 U1.2 U2.1 U3.1 U4.1 U5.1 U6.1 U7.1 U8.1 U9.1 U25.8 U26.8 U27.8 U28.8 U29.8 U30.8 U31.8 U32.8 U33.8 U34.8 U35.8 U36.8
120VAC_RETURN: J1.N J10.1 J11.1 J12.1 J13.1 J14.1 J15.1 J16.1 J17.1 J30.1 J31.1 J32.1 J33.1 J34.1 J35.1 J36.1 J37.1 J38.1 J39.1 J40.1 J41.1
+3.3V: C15.2 C16.2 C17.2 C18.2 C19.2 C20.2 C21.2 C22.2 C23.2 C24.2 C51.2 U37.16 U38.20 U39.16 U40.20 U41.20 U51.16 U52.5 U52.17 U53.16 U58.5 U58.17
+5V: U42.20 U50.16 U52.20 U58.20
+5VA: C60.2 C61.2 C62.2 C63.2 C64.2 C65.2 C66.2 C67.2 U50.15 U51.15 U52.11 U52.16 U54.8 U55.8 U56.8 U57.8 U58.11 U58.16 U59.8 U60.8 U61.8 U62.8
AIO_ADC1_CS: U42.4
AIO_ADC2_CS: U42.5
AIO_CLK: U42.2
AIO_DAC1_CS: U42.6
AIO_DAC2_CS: U42.7
AIO_DIN: U42.3
AIO_DOUT: R35.2 R36.2
GND: C1.1 C2.1 C3.1 C4.1 C5.1 C6.1 C7.1 C8.1 C9.1 C10.1 C11.1 C12.1 C13.1 C14.1 C15.1 C16.1 C17.1 C18.1 C19.1 C20.1 C21.1 C22.1 C23.1 C24.1 C34.1 C36.1 C38.1 C40.1 C42.1 C44.1 C46.1 C48.1 C50.1 C51.1 C53.1 C55.1 C57.1 C59.1 C60.1 C61.1 C62.1 C63.1 C64.1 C65.1 C66.1 C67.1 J54.1-3 J54.1-4 J54.1-5 J54.1-7 J54.2-3 J54.2-4 J54.2-5 J54.2-7 J54.3-3 J54.3-4 J54.3-5 J54.3-7 J54.4-3 J54.4-4 J54.4-5 J54.4-7 J54.5-2 J54.5-4 J54.5-6 J54.5-8 J54.7-3 J54.7-4 J54.7-5 J54.7-7 J54.8-3 J54.8-4 J54.8-5 J54.8-7 J54.9-3 J54.9-4 J54.9-5 J54.9-7 J54.10-1 J54.10-3 J54.11-2 J54.11-4 J54.11-6 J54.11-8 J54.12-2 J54.12-4 J54.12-6 J54.12-8 R1.1 R2.1 R3.1 R4.1 R5.1 R6.1 R7.1 R8.1 R9.1 R10.1 R11.1 R12.1 R13.1 R14.1 R15.1 R16.1 R17.1 R18.1 R19.1 R20.1 R36.1 R47.1 R50.1 U11.1 U12.1 U13.1 U14.1 U15.1 U16.1 U17.1 U18.8 U19.1 U20.1 U21.5 U21.8 U22.1 U23.1 U24.1 U37.8 U38.1 U38.10 U38.19 U39.8 U40.10 U40.19 U41.1 U41.10 U41.19 U42.1 U42.10 U42.19 U50.9 U50.14 U51.9 U51.14 U52.1 U52.10 U52.18 U53.8 U58.1 U58.10 U58.18
HEATER_POWER_0: C25.2 J2.1 U2.2
HEATER_POWER_1: C26.2 J3.1 U3.2
HEATER_POWER_2: C27.2 J4.1 U4.2
HEATER_POWER_3: C28.2 J5.1 U5.2
HEATER_POWER_4: C29.2 J6.1 U6.2
HEATER_POWER_5: C30.2 J7.1 U7.2
HEATER_POWER_6: C31.2 J8.1 U8.2
HEATER_POWER_7: C32.2 J9.1 U9.2
MFC_+15V: J54.1-1 J54.2-1 J54.3-1 J54.4-1 J54.7-1 J54.8-1 J54.9-1
MFC_-15V: J54.1-2 J54.2-2 J54.3-2 J54.4-2 J54.7-2 J54.8-2 J54.9-2
MFC_AI_0: J54.1-8
MFC_AI_1: J54.7-8
MFC_AI_2: J54.2-8
MFC_AI_3: J54.8-8
MFC_AI_4: J54.3-8
MFC_AI_5: J54.9-6
MFC_AI_6: J54.4-8
MFC_AO_0: J54.1-6
MFC_AO_1: J54.7-6
MFC_AO_2: J54.2-6
MFC_AO_3: J54.8-6
MFC_AO_4: J54.3-6
MFC_AO_5: J54.9-8
MFC_AO_6: J54.4-6
MISC_A0_2: J54.12-5
MISC_A0_3: J54.12-7
MISC_AI_0: R51.1
MISC_AI_1: J54.5-3
MISC_AI_2: J54.5-5
MISC_AI_3: J54.5-7
MISC_AO_0: U58.12
MISC_AO_1: U58.13
MISC_AO_2: U58.14
MISC_AO_3: U58.15
MISC_DO_0: J54.11-1
MISC_DO_1: J54.11-3
MISC_DO_2: J54.11-5
MISC_DO_3: J54.11-7
NetC25_1: C25.1 R21.2
NetC26_1: C26.1 R22.2
NetC27_1: C27.1 R23.2
NetC28_1: C28.1 R24.2
NetC29_1: C29.1 R25.2
NetC30_1: C30.1 R26.2
NetC31_1: C31.1 R27.2
NetC32_1: C32.1 R28.2
NetC33_1: C33.1 U50.1 U54.1 U54.2
NetC33_2: C33.2 R29.2 R30.1
NetC34_2: C34.2 R30.2 U54.3
NetC35_1: C35.1 U50.2 U54.6 U54.7
NetC35_2: C35.2 R31.2 R32.1
NetC36_2: C36.2 R32.2 U54.5
NetC37_1: C37.1 U50.3 U55.1 U55.2
NetC37_2: C37.2 R33.2 R34.1
NetC38_2: C38.2 R34.2 U55.3
NetC39_1: C39.1 U50.4 U55.6 U55.7
NetC39_2: C39.2 R37.2 R38.1
NetC40_2: C40.2 R38.2 U55.5
NetC41_1: C41.1 U50.5 U56.1 U56.2
NetC41_2: C41.2 R39.2 R40.1
NetC42_2: C42.2 R40.2 U56.3
NetC43_1: C43.1 U50.6 U56.6 U56.7
NetC43_2: C43.2 R41.2 R42.1
NetC44_2: C44.2 R42.2 U56.5
NetC45_1: C45.1 U50.7 U57.1 U57.2
NetC45_2: C45.2 R43.2 R44.1
NetC46_2: C46.2 R44.2 U57.3
NetC47_1: C47.1 U50.8 U63.6 U63.7
NetC47_2: C47.2 R45.2 R46.1
NetC48_2: C48.2 R46.2 U63.5
NetC49_1: C49.1 U51.1 U64.6 U64.7
NetC49_2: C49.2 R48.2 R49.1
NetC50_2: C50.2 R49.2 U64.5
NetC52_1: C52.1 U51.2 U60.1 U60.2
NetC52_2: C52.2 R51.2 R52.1
NetC53_2: C53.2 R52.2 U60.3
NetC54_1: C54.1 U51.3 U61.6 U61.7
NetC54_2: C54.2 R53.2 R54.1
NetC55_2: C55.2 R54.2 U61.5
NetC56_1: C56.1 U51.4 U61.1 U61.2
NetC56_2: C56.2 R55.2 R56.1
NetC57_2: C57.2 R56.2 U61.3
NetC58_1: C58.1 U51.5 U62.6 U62.7
NetC58_2: C58.2 R57.2 R58.1
NetC59_2: C59.2 R58.2 U62.5
NetJ1_L: J1.L U1.1
NetR1_2: R1.2 U25.1 U25.3 U25.4
NetR2_2: R2.2 U2.4
NetR3_2: R3.2 U3.4
NetR4_2: R4.2 U4.4
NetR5_2: R5.2 U5.4
NetR6_2: R6.2 U6.4
NetR7_2: R7.2 U7.4
NetR8_2: R8.2 U8.4
NetR9_2: R9.2 U9.4
NetR10_2: R10.2 U26.1 U26.3 U26.4
NetR11_2: R11.2 U27.1 U27.3 U27.4
NetR12_2: R12.2 U28.1 U28.3 U28.4
NetR13_2: R13.2 U29.1 U29.3 U29.4
NetR14_2: R14.2 U30.1 U30.3 U30.4
NetR15_2: R15.2 U31.1 U31.3 U31.4
NetR16_2: R16.2 U32.1 U32.3 U32.4
NetR17_2: R17.2 U33.1 U33.3 U33.4
NetR18_2: R18.2 U34.1 U34.3 U34.4
NetR19_2: R19.2 U35.1 U35.3 U35.4
NetR20_2: R20.2 U36.1 U36.3 U36.4
NetR35_1: R35.1 U50.12 U51.12
NetR45_1: R45.1 U63.1 U63.2
NetR48_1: R48.1 U64.1 U64.2
NetU2_3: U2.3 U41.18
NetU3_3: U3.3 U41.17
NetU4_3: U4.3 U41.16
NetU5_3: U5.3 U41.15
NetU6_3: U6.3 U41.14
NetU7_3: U7.3 U41.13
NetU8_3: U8.3 U41.12
NetU9_3: U9.3 U41.11
NetU11_6: U11.6 U18.15
NetU12_5: U12.5 U13.5 U14.5 U15.5 U16.5 U17.5 U19.5 U20.5 U22.5 U23.5 U24.5
NetU12_6: U12.6 U18.14
NetU13_6: U13.6 U18.13
NetU14_6: U14.6 U18.12
NetU15_6: U15.6 U18.11
NetU16_6: U16.6 U18.10
NetU17_6: U17.6 U18.9
NetU18_7: U18.7 U19.6
NetU20_6: U20.6 U21.15
NetU21_12: U21.12 U24.6
NetU21_13: U21.13 U23.6
NetU21_14: U21.14 U22.6
NetU25_2: U25.2 U38.18
NetU26_2: U26.2 U38.17
NetU27_2: U27.2 U38.16
NetU28_2: U28.2 U38.15
NetU29_2: U29.2 U38.14
NetU30_2: U30.2 U38.13
NetU31_2: U31.2 U38.12
NetU32_2: U32.2 U38.11
NetU33_2: U33.2 U40.18
NetU34_2: U34.2 U40.17
NetU35_2: U35.2 U40.16
NetU36_2: U36.2 U40.15
NetU37_1: U37.1 U38.3
NetU37_2: U37.2 U38.4
NetU37_3: U37.3 U38.5
NetU37_4: U37.4 U38.6
NetU37_5: U37.5 U38.7
NetU37_6: U37.6 U38.8
NetU37_7: U37.7 U38.9
NetU37_9: U37.9 U39.14
NetU37_10: U37.10 U37.13 U39.10 U39.13 U53.10 U53.13
NetU37_11: U37.11 U39.11 U53.11
NetU37_12: U37.12 U39.12 U53.12
NetU37_14: U37.14 U53.9
NetU37_15: U37.15 U38.2
NetU39_1: U39.1 U40.3
NetU39_2: U39.2 U40.4
NetU39_3: U39.3 U40.5
NetU39_4: U39.4 U40.6
NetU39_5: U39.5 U40.7
NetU39_6: U39.6 U40.8
NetU39_7: U39.7 U40.9
NetU39_9: U39.9
NetU39_15: U39.15 U40.2
NetU41_2: U41.2 U53.15
NetU41_3: U41.3 U53.1
NetU41_4: U41.4 U53.2
NetU41_5: U41.5 U53.3
NetU41_6: U41.6 U53.4
NetU41_7: U41.7 U53.5
NetU41_8: U41.8 U53.6
NetU41_9: U41.9 U53.7
NetU42_13: U42.13 U58.4
NetU42_14: U42.14 U52.4
NetU42_15: U42.15 U51.10
NetU42_16: U42.16 U50.10
NetU42_17: U42.17 U50.11 U51.11 U52.2 U58.2
NetU42_18: U42.18 U50.13 U51.13 U52.3 U58.3
NetU53_14: U53.14
PRESSURE_SENSE+_0: J54.6-1
PRESSURE_SENSE+_1: J54.6-3
PRESSURE_SENSE-_0: J54.6-2
PRESSURE_SENSE-_1: J54.6-4
RS232_RX_IN: J54.10-4
RS232_TX_OUT: J54.10-2
SOLENOID_POWER_0: J18.1 U25.6
SOLENOID_POWER_1: J19.1 U26.6
SOLENOID_POWER_2: J20.1 U27.6
SOLENOID_POWER_3: J21.1 U28.6
SOLENOID_POWER_4: J22.1 U29.6
SOLENOID_POWER_5: J23.1 U30.6
SOLENOID_POWER_6: J24.1 U31.6
SOLENOID_POWER_7: J25.1 U32.6
SOLENOID_POWER_8: J26.1 U33.6
SOLENOID_POWER_9: J27.1 U34.6
SOLENOID_POWER_10: J28.1 U35.6
SOLENOID_POWER_11: J29.1 U36.6
TEMP+_0: J42.+ U11.3
TEMP+_1: J43.+ U12.3
TEMP+_2: J44.+ U13.3
TEMP+_3: J45.+ U14.3
TEMP+_4: J46.+ U15.3
TEMP+_5: J47.+ U16.3
TEMP+_6: J48.+ U17.3
TEMP+_7: J49.+ U19.3
TEMP+_8: J50.+ U20.3
TEMP+_9: J51.+ U22.3
TEMP+_10: J52.+ U23.3
TEMP+_11: J53.+ U24.3
TEMP-_0: J42.K U11.2
TEMP-_1: J43.K U12.2
TEMP-_2: J44.K U13.2
TEMP-_3: J45.K U14.2
TEMP-_4: J46.K U15.2
TEMP-_5: J47.K U16.2
TEMP-_6: J48.K U17.2
TEMP-_7: J49.K U19.2
TEMP-_8: J50.K U20.2
TEMP-_9: J51.K U22.2
TEMP-_10: J52.K U23.2
TEMP-_11: J53.K U24.2
TEMP_SENSE_A0: U18.1 U21.1
TEMP_SENSE_A1: U18.2 U21.2
TEMP_SENSE_A2: U18.3 U21.3
TEMP_SENSE_A3: U18.4 U21.6
TEMP_SENSE_CS: U18.5 U21.4
TEMP_SENSE_SCK: U11.5
TEMP_SENSE_SO: U11.7 U12.7 U13.7 U14.7 U15.7 U16.7 U17.7 U19.7 U20.7 U22.7 U23.7 U24.7
pads on no net: J1.E J1.M1 J54.5-1 J54.6-5 J54.6-6 J54.6-7 J54.6-8 J54.10-5 J54.10-6 J54.10-7 J54.10-8 J54.12-1 J54.12-3 J54.ALIGN J54.SHEILD J55.1 J55.2 J56.1 J56.2 R29.1 R31.1 R33.1 R37.1 R39.1 R41.1 R43.1 R47.2 R50.2 R53.1 R55.1 R57.1 U1.MOUNT U10.1 U10.2 U10.3 U10.4 U10.5 U10.6 U10.7 U10.8 U10.9 U10.10 U10.11 U10.12 U10.13 U10.14 U10.15 U10.16 U10.17 U10.18 U10.19 U10.20 U10.21 U10.22 U10.23 U10.24 U10.25 U10.26 U10.27 U10.28 U10.29 U10.30 U10.31 U10.32 U10.33 U10.34 U10.35 U10.36 U10.37 U10.38 U10.39 U10.40 U10.M1 U10.M2 U10.M3 U10.M4 U11.8 U12.8 U13.8 U14.8 U15.8 U16.8 U17.8 U19.8 U20.8 U21.7 U21.9 U21.10 U21.11 U22.8 U23.8 U24.8 U25.5 U26.5 U27.5 U28.5 U29.5 U30.5 U31.5 U32.5 U33.5 U34.5 U35.5 U36.5 U40.1 U40.11 U40.12 U40.13 U40.14 U42.8 U42.9 U42.11 U42.12 U43.1 U43.2 U43.3 U43.4 U43.5 U43.6 U43.7 U43.8 U43.9 U43.10 U43.11 U43.12 U43.13 U43.14 U43.15 U43.16 U43.17 U43.18 U43.19 U43.20 U43.21 U43.22 U43.23 U43.24 U43.M1 U44.1 U44.2 U44.3 U44.4 U44.5 U44.6 U45.1 U45.2 U45.3 U45.4 U46.1 U46.2 U46.3 U46.4 U49.1 U49.3 U49.4 U49.5 U49.6 U49.8 U51.6 U51.7 U51.8 U52.6 U52.7 U52.8 U52.9 U52.12 U52.13 U52.14 U52.15 U52.19 U54.4 U55.4 U56.4 U57.4 U57.5 U57.6 U57.7 U58.6 U58.7 U58.8 U58.9 U58.19 U59.1 U59.2 U59.3 U59.4 U59.5 U59.6 U59.7 U60.4 U60.5 U60.6 U60.7 U61.4 U62.1 U62.2 U62.3 U62.4 U63.3 U63.4 U63.8 U64.3 U64.4 U64.8

## Silkscreen, mask and mechanical layers (free items; w line width, h text height)
Top Overlay:
  lines w10: 0,-6300 0,-0.79 ; 0,78.74 17086.61,78.74 ; 17000,-6300 17000,-50
Board Outline:
  lines w10: 0,-6300 0,0 ; 17000,-6240 17000,-50 ; 0,0 3500,0 3500,1300 16900,1300 16900,0 17090,0 17090,-6300 -90,-6300 -90,0 0,0
Panel Align:
  lines w10: 0,78.74 0,0 17086.61,0 17086.61,78.74 ; 0,-6378.74 17086.61,-6378.74 17086.61,-6300 0,-6300 0,-6378.74

## Dimensions
16900,1300 to 17090,-6300 on Mechanical 16
-90,-6300 to 17090,-6300 on Mechanical 16

## Text inside footprints (layer, text, board x,y; h text height)
J1: Top Overlay "NEUTRAL" at 1917.32,-217.13 h98.43 r270; Top Overlay "LINE" at 2218.5,-433.66 h98.43 r270
J54: Top Overlay "1" at 9850,-5350.16 h59.06
U10: Top Overlay "20" at 5330,-4265 h60 r180; Top Overlay "40" at 4450,-6175 h60 r180; Top Overlay "21" at 4700,-4255 h60 r180; Top Overlay "1" at 5580,-6165 h60 r180
U44: Top Overlay "1" at 487.48,-3719.49 h137.8 r270; Top Overlay "2" at 1269.96,-3719.49 h137.8 r270; Top Overlay "3" at 2052.44,-3721.46 h137.8 r270; Top Overlay "4" at 590.83,-1268.7 h137.8 r270; Top Overlay "5" at 816.22,-1277.56 h137.8 r270; Top Overlay "6" at 1724.69,-1279.53 h137.8 r270; Top Overlay "EARTH" at 384.13,-3389.76 h100 r270; Top Overlay "AC (N)" at 1173.5,-3426.18 h100 r270; Top Overlay "AC (L)" at 1965.83,-3437.01 h100 r270; Top Overlay "TRIM" at 496.34,-1383.86 h100 r270; Top Overlay "-Vo" at 725.67,-1375.98 h100 r270; Top Overlay "+V0" at 1639.06,-1383.86 h100 r270
U45: Top Overlay "-Vo" at 4042,-3534 h100 r90; Top Overlay "3" at 4552,-3402 h137.8 r90; Top Overlay "4" at 4150,-3407 h137.8 r90; Top Overlay "AC (L)" at 3836,-1848 h100 r90; Top Overlay "AC (N)" at 4431,-1871 h100 r90; Top Overlay "+Vo" at 4444,-3534 h100 r90; Top Overlay "2" at 4547,-1793 h137.8 r90; Top Overlay "1" at 3745,-1776 h137.8 r90
U46: Top Overlay "-Vo" at 2820,-3508 h100 r90; Top Overlay "3" at 3330,-3376 h137.8 r90; Top Overlay "4" at 2928,-3381 h137.8 r90; Top Overlay "AC (L)" at 2614,-1822 h100 r90; Top Overlay "AC (N)" at 3209,-1845 h100 r90; Top Overlay "+Vo" at 3222,-3508 h100 r90; Top Overlay "2" at 3325,-1767 h137.8 r90; Top Overlay "1" at 2523,-1750 h137.8 r90
U47: Top Overlay "40X40X10MM FAN" at 541.34,-6178.74 h196.85
U48: Top Overlay "40X40X10MM FAN" at 15041.34,-6178.74 h196.85